# KiCad board homebrew_486.kicad_pcb (continued)
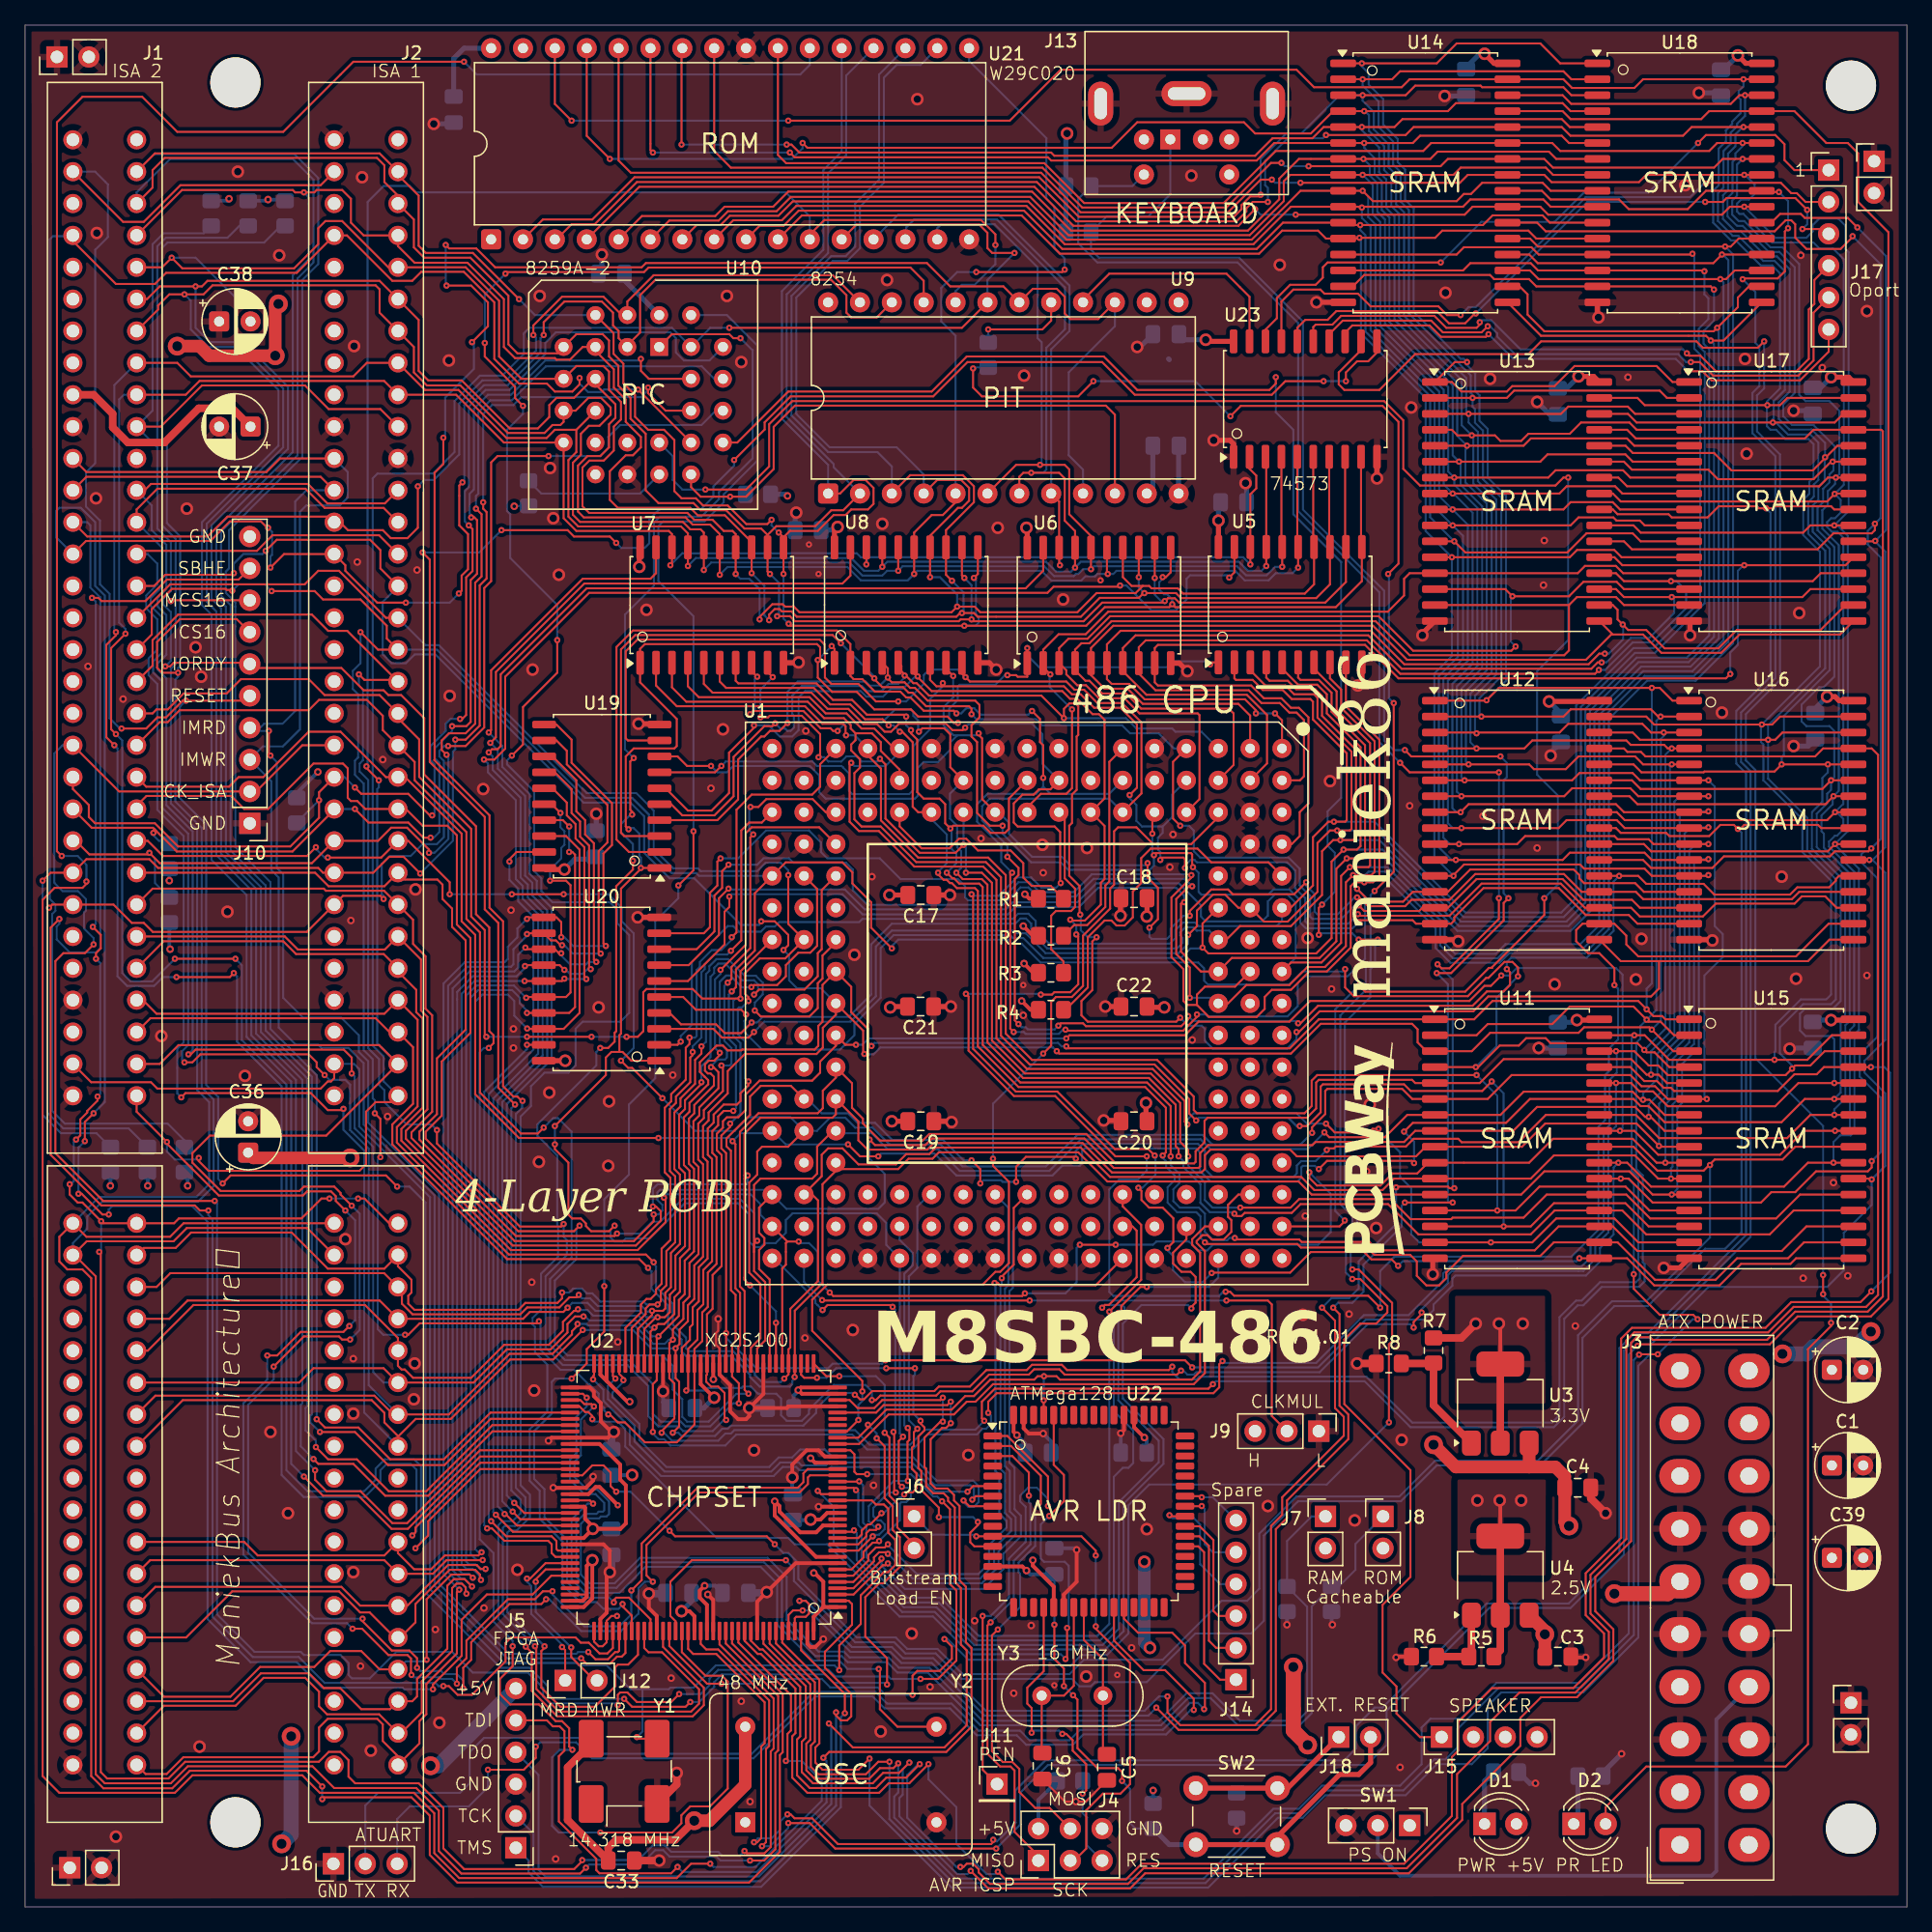
[diagram p0: board, top side]
## Routing (per net, layer and track width the routed paths; a pad name or vN(x,y) marks a point on that pad's centre or on a via; arc(x,y) is an arc through that point) (continued)
/D20: length 88.7
  Top w0.16: U13.18 126.56,103.77 126.94,103.39 126.94,102.63 v3(127.35,102.22) 127.78,101.78 129.22,101.78 130.68,100.32 134.98,100.32 136.44,101.78 143.11,101.78 145.1,103.77 U17.18 ; v3(99.63,95.14) 100.19,94.58 U1.A1 ; v3(98.11,95.14) 98.11,95.39 97.24,96.26 89.24,96.26 88.01,97.49 86.61,97.49 86.23,97.87 U6.6 86.23,100.64 87.31,101.72 107.27,101.72 109.94,99.05 124.63,99.05 125.48,99.9 v3(125.92,99.9)
  Bottom w0.16: v3(99.63,95.14) v3(98.11,95.14) ; v3(125.92,99.9) 126.23,99.9 127.38,101.05 127.38,102.18
/D21: length 90
  Top w0.16: U1.B2 99,91.15 99,95.01 97.39,96.62 89.39,96.62 87.5,98.5 U6.7 87.5,100.34 88.52,101.36 107.06,101.36 109.73,98.69 124.84,98.69 125.35,99.2 v3(125.67,99.2) ; U13.19 126.81,105.04 127.44,104.41 141.67,104.41 142.3,105.04 U17.19
  Bottom w0.16: v3(131.25,104.41) 131.44,104.22 131.44,103.14 129.46,101.15 127.99,101.15 126.04,99.2 v3(125.67,99.2)
/D22: length 94.1
  Top w0.16: v3(125.44,98.6) 125.14,98.29 109.62,98.29 106.96,100.96 89.32,100.96 88.77,100.41 U6.8 88.77,98.31 90.11,96.98 97.54,96.98 98.55,95.96 100.01,95.96 100.77,95.2 101.35,95.2 101.94,94.61 101.94,90.12 101.62,89.8 U1.A2 ; U13.20 126.81,106.31 127.44,105.68 142.49,105.68 143.13,106.31 U17.20
  Bottom w0.16: 131.13,105.68 v3(131.19,105.68) 131.64,105.68 132.4,104.92 132.4,103.52 129.67,100.79 128.14,100.79 125.95,98.6 v3(125.44,98.6)
/D23: length 104.7
  Top w0.16: U13.21 126.68,107.58 127.32,106.95 v3(137.03,106.95) 145.11,106.95 U17.21 ; U1.A4 100.97,84.72 101.6,85.36 101.6,87.26 102.3,87.96 102.3,94.82 101.54,95.58 100.9,95.58 100.14,96.34 98.74,96.34 97.73,97.36 90.3,97.36 90.04,97.61 90.04,100.34 90.3,100.6 106.81,100.6 109.47,97.93 135.57,97.93 v3(135.92,98.28)
  Bottom w0.16: 136.97,106.95 136.53,106.5 136.53,100.6 135.92,99.99 v3(135.92,98.28)
/D24: length 198.3
  Top w0.16: v3(52.26,68.97) 52.01,68.72 U20.2 ; U5.2 96.39,97.93 96.52,97.8 97.85,97.8 98.66,97 100.25,97 100.97,96.28 102.45,96.28 102.66,96.07 102.66,94.65 105.35,91.96 105.35,86.63 105.22,86.5 v3(104.33,86.5) 103.89,86.5 102.66,85.27 102.66,81.42 100.88,79.64 U1.A6 ; U14.13 114.11,131.71 114.69,132.29 120.07,132.29 120.65,131.71 U18.13 132.84,131.71 v3(132.91,131.78)
  Bottom w0.16: v3(132.91,131.78) 133.05,131.63 133.05,124.2 133.52,123.73 133.52,104.07 129.79,100.34 128.2,100.34 123.63,95.77 123.63,80.45 122.45,79.26 114.81,79.26 107.57,86.5 v3(104.33,86.5) ; v3(52.26,68.97) 52.26,69.42 53.15,70.31 53.15,75.32 56.01,78.18 56.45,78.18 56.9,77.74 58.65,77.74 59.05,78.14 59.75,78.14 60.11,78.5 66.48,78.5 66.74,78.75 78.74,78.75 79.15,79.17 79.98,79.17 80.56,78.58 80.56,77.86 81.64,76.78 91.25,76.78 91.69,77.23 91.69,77.86 92.3,78.47 93.25,78.47 93.54,78.18 99.76,78.18 100.19,78.61 U1.A6
/D25: length 197.7
  Top w0.16: U5.3 97.66,98.57 98.87,97.36 100.46,97.36 101.16,96.66 102.74,96.66 103.02,96.38 103.02,94.8 105.73,92.09 105.73,85.93 105.6,85.8 v3(104.58,85.8) 104.01,85.8 103.02,84.81 103.02,80.91 100.65,78.54 98.75,78.54 U1.B6 96.71,79.64 95.67,80.68 94.68,80.68 93.41,79.42 93.41,78.18 v3(92.71,77.48) ; v3(58.1,69.74) 57.66,69.29 55.56,69.29 54.86,69.99 U20.3 ; U14.14 114.62,130.44 115.2,131.02 120.01,131.02 120.59,130.44 U18.14 133.79,130.44 v3(133.86,130.38)
  Bottom w0.16: v3(133.86,130.38) 133.86,128.54 134.18,128.22 134.18,126.57 133.41,125.81 133.41,124.41 133.88,123.94 133.88,103.92 129.92,99.96 128.33,99.96 124.02,95.65 124.02,80.28 122.64,78.9 114.66,78.9 107.76,85.8 v3(104.58,85.8) ; v3(92.71,77.48) 92.71,76.78 91.95,76.02 81.34,76.02 79.75,77.61 78.93,77.61 78.72,77.82 69.09,77.82 67.82,76.55 67.82,72.59 65.79,70.56 58.93,70.56 v3(58.1,69.74)
/D26: length 198.7
  Top w0.16: U14.15 105.83,129.17 106.74,130.08 116.76,130.08 117.09,129.75 119.88,129.75 120.46,129.17 U18.15 134.37,129.17 v3(134.62,128.92) ; U5.4 98.93,97.99 99.19,97.74 100.65,97.74 101.32,97.06 102.84,97.06 103.38,96.53 103.38,94.95 106.09,92.24 106.09,85.27 105.85,85.04 v3(104.84,85.04) 104.27,85.04 103.38,84.15 103.38,80.66 100.9,78.18 96.84,78.18 95.76,77.1 U1.C7 ; v3(57.91,70.5) 57.07,69.65 55.77,69.65 55.08,70.35 52.28,70.35 51.37,71.26 U20.4
  Bottom w0.16: v3(104.84,85.04) 107.95,85.04 114.45,78.54 122.85,78.54 124.38,80.07 124.38,95.5 128.46,99.58 132.46,99.58 134.24,101.36 134.24,124.16 133.79,124.6 133.79,125.62 134.62,126.44 v3(134.62,128.92) ; U1.C7 94.39,77.82 93.39,77.82 93.12,78.09 92.49,78.09 92.08,77.67 92.08,77.42 92.27,77.23 92.27,76.85 91.82,76.4 81.47,76.4 80.2,77.67 80.2,78.37 79.79,78.78 79.34,78.78 78.93,78.37 69.09,78.37 67.44,76.72 67.44,72.72 65.66,70.94 58.8,70.94 58.36,70.5 v3(57.91,70.5)
/D27: length 192.6
  Top w0.16: v3(57.47,71.13) 57.09,71.51 53.47,71.51 52.45,72.53 U20.5 ; U18.17 135.38,124.85 v3(134.37,124.85) 133.98,125.24 120.83,125.24 U14.17 ; U1.C6 93.85,78.39 v3(93.85,76.47) 94.32,76 102.91,76 104.14,77.23 104.14,83.33 v3(105.09,84.28) 106.17,84.28 106.45,84.55 106.45,92.45 103.76,95.13 103.76,96.66 102.99,97.42 101.47,97.42 100.2,98.69 U5.5
  Bottom w0.16: v3(105.09,84.28) 108.2,84.28 114.3,78.18 123.02,78.18 124.73,79.9 124.73,95.35 128.61,99.22 132.61,99.22 134.62,101.24 134.62,124.6 v3(134.37,124.85) ; 93.85,76.4 92.9,76.4 92.14,75.64 81.15,75.64 79.57,77.23 78.74,77.23 78.51,77.46 69.24,77.46 68.2,76.42 68.2,72.47 66.1,70.37 66.1,69.48 64.96,68.34 58.74,68.34 57.34,69.74 57.34,70.63 57.47,70.75 v3(57.47,71.13)
/D28: length 194.5
  Top w0.16: U5.6 101.47,97.99 101.66,97.8 103.12,97.8 104.14,96.78 104.14,95.26 106.81,92.6 106.81,83.71 106.68,83.58 v3(105.35,83.58) 104.52,82.75 104.52,76.98 103.19,75.64 96.19,75.64 U1.C8 93.73,74.56 92.14,76.15 92.14,79.96 92.27,80.09 v3(92.39,80.09) 92.52,80.09 ; U20.6 52.83,73.8 55.75,76.72 55.75,79.32 56.13,79.71 v3(56.13,80.53) ; U14.18 119.13,129.17 119.76,128.54 119.76,126.93 121.09,125.6 134.6,125.6 v3(134.87,125.87) 136.53,127.52 136.53,128.28 137.41,129.17 U18.18
  Bottom w0.16: v3(105.35,83.58) 108.39,83.58 114.17,77.8 123.19,77.8 125.09,79.71 125.09,95.14 128.82,98.86 132.75,98.86 135,101.11 135,125.74 v3(134.87,125.87) ; v3(56.13,80.53) 56.32,80.72 65.15,80.72 66.76,79.11 78.34,79.11 78.93,79.71 84.01,79.71 85.53,81.23 91.76,81.23 92.39,80.59 v3(92.39,80.09)
/D29: length 201.2
  Top w0.16: U5.7 102.74,98.69 104.54,96.89 104.54,95.43 107.21,92.76 107.21,83.01 107.08,82.88 v3(105.6,82.88) 104.9,82.18 104.9,76.85 103.34,75.28 100.91,75.28 U1.A8 ; U18.19 136.27,130.44 135.58,129.75 v3(135.13,129.75) 120.66,129.75 120.65,129.74 119.95,130.44 U14.19 ; U20.7 52.9,75.07 55.31,77.48 55.31,80.4 v3(56.07,81.17)
  Bottom w0.16: v3(56.07,81.17) 56.13,81.1 65.34,81.1 66.93,79.52 78.17,79.52 78.74,80.09 83.88,80.09 85.39,81.59 91.97,81.59 93.73,79.83 93.73,78.94 94.11,78.56 98.62,78.56 99.06,79.01 99.06,80.15 99.63,80.72 100.58,80.72 101.28,80.02 101.28,75.66 U1.A8 ; 135.13,129.74 135.38,129.49 135.38,100.98 132.9,98.5 128.97,98.5 125.48,95.01 125.48,78.25 123.97,76.74 118,76.74 117.24,75.98 113.98,75.98 113.16,76.81 113.16,78.31 108.58,82.88 v3(105.6,82.88)
/D30: length 208.5
  Top w0.16: v3(93.03,81.36) 92.77,81.36 91.76,80.34 91.76,75.96 92.84,74.88 v3(92.84,72.47) ; U18.20 v3(135.25,131.71) 134.56,131.02 120.58,131.02 119.89,131.71 U14.20 ; v3(56.07,83.07) 55.56,82.56 55.56,81.23 54.95,80.62 54.95,77.76 53.53,76.34 U20.8 ; U5.8 104.01,97.93 104.9,97.04 104.9,95.58 107.57,92.91 107.57,82.5 107.31,82.25 v3(105.85,82.25) 105.28,81.67 105.28,76.59 103.61,74.92 102.21,74.92 100.77,73.48 97.35,73.48 95.88,72.02 U1.C9
  Bottom w0.16: U1.C9 94.66,72.47 v3(92.84,72.47) ; v3(105.85,82.25) 106.81,82.25 107.08,82.52 108.43,82.52 112.8,78.16 112.8,76.64 113.81,75.62 117.39,75.62 118.15,76.38 124.18,76.38 125.86,78.06 125.86,94.88 129.1,98.12 133.03,98.12 135.76,100.85 135.76,131.27 135.32,131.71 ; v3(56.07,83.07) 58.36,83.07 58.87,83.59 60.89,83.59 61.25,83.22 65.44,83.22 65.98,82.69 65.98,81.04 67.14,79.88 77.96,79.88 79.34,81.26 79.98,81.26 80.71,80.53 83.76,80.53 85.17,81.95 92.43,81.95 v3(93.03,81.36)
/D31: length 219
  Top w0.16: U1.B8 96.44,73.36 94.04,73.36 93.41,72.72 93.41,71.9 ; U14.21 119.95,132.98 120.59,132.35 135.95,132.35 136.59,132.98 U18.21 ; U5.9 105.28,95.71 107.95,93.04 107.95,82.18 107.44,81.67 v3(106.74,81.67) 105.98,81.67 105.66,81.36 105.66,76.47 103.76,74.56 102.36,74.56 100.9,73.1 99.38,73.1 98.81,72.53 98.81,71.58 98.17,70.94 94.36,70.94 93.41,71.9 ; v3(55.44,83.58) 55.18,83.33 55.18,81.42 54.59,80.83 54.59,78.1 54.1,77.61 U20.9 ; 93.41,71.9 92.65,71.9 92.33,72.21 92.33,74.75 91.38,75.71 91.38,80.47 92.96,82.06 v3(92.96,82.25)
  Bottom w0.16: v3(92.96,82.25) 92.9,82.31 85.03,82.31 83.61,80.89 80.86,80.89 80.07,81.67 79.18,81.67 77.75,80.24 75.16,80.24 74.93,80.47 74.93,81.36 74.36,81.93 69.79,81.93 68.13,83.58 63.94,83.58 63.44,84.09 63.44,84.85 62.48,85.8 59.05,85.8 56.83,83.58 v3(55.44,83.58) ; v3(135.51,132.35) 136.14,131.71 136.14,100.72 133.16,97.74 129.29,97.74 126.24,94.69 126.24,77.93 124.33,76.02 118.3,76.02 117.54,75.26 113.6,75.26 112.44,76.43 112.44,78.01 108.28,82.16 107.36,82.16 106.87,81.67 v3(106.74,81.67)
/DT0: length 291.1
  Top w0.16: v3(82.49,106.95) 82.42,107.01 U6.18 82.42,112.03 U9.8 ; v3(16.76,75.58) v3(11.94,75.58) ; J1.40 12.81,120.54 13.91,121.64 28.62,121.64 J2.40 34.35,120.54 38.16,116.73 U10.11 42.93,110.69 43.94,109.68 51.31,109.68 51.56,109.42 U7.18 51.56,107.07 v3(51.44,106.95) ; 97.66,106.95 v3(97.66,107.01) U5.18 97.66,112.6 98.14,113.07 98.14,114.09 97.6,114.63 U23.2 ; v3(7.24,93.49) 6.86,93.87 6.86,100.34 v3(8,101.49) ; U2.86 36.29,34.9 32.13,30.74 32.13,29.6 v3(31.11,28.59) ; U8.18 v3(67.06,107.01)
  Bottom w0.16: v3(16.76,75.58) 17.27,75.07 17.27,69.1 20.83,65.55 20.83,34.81 22.5,33.13 27.02,33.13 27.94,34.05 27.94,34.94 28.68,35.67 31.01,35.67 31.56,35.13 31.56,29.03 v3(31.11,28.59) ; v3(8,101.49) 8,101.87 7.49,102.38 7.49,120.16 7.87,120.54 J1.40 ; U21.13 69.6,134.89 77.6,134.89 83.25,129.24 83.25,125.62 81.79,124.16 U9.8 ; 82.49,107.58 67.12,107.58 ; 82.49,107.58 97.09,107.58 v3(97.66,107.01) ; 82.49,107.58 v3(82.49,106.95) ; 67.12,107.58 66.61,107.58 66.29,107.9 52.39,107.9 v3(51.44,106.95) ; 67.12,107.58 67.12,107.07 ; v3(11.94,75.58) 10.13,73.77 8.41,73.77 7.75,74.44 7.75,92.98 v3(7.24,93.49)
/DT1: length 300.3
  Top w0.16: U9.7 79.25,114 79.57,114.31 v3(80.2,114.31) 82.42,114.31 82.87,113.87 82.87,110.5 83.69,109.68 U6.17 v3(83.69,106.76) ; v3(7.11,92.6) 6.48,93.23 6.48,100.6 7.24,101.36 v3(7.24,101.61) ; 43.94,117.74 43.94,115.96 43.31,115.33 43.31,110.82 44.09,110.04 52.28,110.04 52.83,109.49 U7.17 v3(52.83,106.88) ; 43.94,117.74 42.23,117.74 41.57,117.09 38.38,117.09 34.54,120.92 31.88,120.92 J2.39 27.24,123.08 26.16,122 13.21,122 12.13,123.08 J1.39 ; 43.94,117.74 U10.10 ; v3(30.86,29.6) 31.11,29.86 31.11,30.23 36.28,35.4 U2.85 ; U23.3 98.93,115.53 U5.17 v3(98.93,106.88) ; U8.17 v3(68.33,106.82) ; v3(12.07,74.12) 16.32,74.12 v3(16.64,74.44)
  Bottom w0.16: v3(7.11,92.6) 7.37,92.34 7.37,74.18 8.13,73.41 10.28,73.41 10.99,74.12 v3(12.07,74.12) ; v3(30.86,29.6) 31.2,29.94 31.2,34.85 30.74,35.31 28.83,35.31 28.32,34.81 28.32,33.92 27.08,32.68 22.2,32.68 20.45,34.43 20.45,65.42 16.89,68.97 16.89,74.18 v3(16.64,74.44) ; v3(7.24,101.61) 7.11,101.74 7.11,121.3 J1.39 ; v3(98.93,106.88) 98.55,106.5 97.47,106.5 96.75,107.22 84.16,107.22 v3(83.69,106.76) 83.38,106.44 82.17,106.44 81.39,107.22 68.73,107.22 v3(68.33,106.82) 68.01,106.5 66.87,106.5 65.85,107.52 53.47,107.52 v3(52.83,106.88) ; v3(80.2,114.31) 81.15,114.31 81.41,114.57 81.41,124.28 82.89,125.77 82.89,129.09 77.47,134.51 70.87,134.51 70.23,133.87 70.23,132.98 U21.14
/DT2: length 304.4
  Top w0.16: v3(84.96,106.63) U6.16 84.96,109.28 83.23,111.01 83.23,114.59 82.87,114.95 v3(80.9,114.95) 78.99,114.95 U9.6 ; J1.38 10.6,127.33 10.6,127.65 11.49,128.54 14.22,128.54 14.94,129.26 27.94,129.26 28.26,128.94 28.26,127.08 J2.38 30.99,124.35 30.99,122.32 32.03,121.28 34.69,121.28 38.48,117.49 41.4,117.49 42.04,118.12 42.67,118.12 42.93,118.38 U10.9 43.88,119.27 44.89,120.28 45.91,120.28 46.67,119.52 46.67,118.95 45.78,118.06 44.94,118.06 44.3,117.42 44.3,115.75 43.67,115.12 43.67,110.97 44.24,110.4 52.43,110.4 53.02,109.8 53.85,109.8 54.1,109.55 U7.16 v3(54.1,106.57) ; 100.2,106.76 v3(100.2,106.82) U5.16 100.14,108.46 U23.4 ; U8.16 v3(69.6,106.5) ; v3(22.22,34.3) 23.75,32.77 26.57,32.77 29.21,30.14 30.51,30.14 36.27,35.9 U2.84
  Bottom w0.16: v3(12.7,128.54) 13.21,128.03 13.21,125.74 14.6,124.35 16.76,124.35 20.19,120.91 20.19,116.47 14.1,110.38 14.1,103.77 14.86,103.01 14.86,83.45 17.65,80.66 17.65,69.35 21.21,65.79 21.21,35.32 v3(22.22,34.3) ; v3(54.1,106.57) 54.69,107.16 65.7,107.16 66.74,106.12 68.33,106.12 68.71,106.5 v3(69.6,106.5) 69.96,106.86 81.24,106.86 82.02,106.08 83.59,106.08 83.76,106.25 83.95,106.25 84.33,106.63 v3(84.96,106.63) 85.2,106.86 96.6,106.86 97.32,106.14 98.95,106.14 99.63,106.82 v3(100.2,106.82) ; v3(80.9,114.95) 81.03,115.08 81.03,124.73 80.71,125.05 80.71,130.7 77.28,134.12 73.02,134.12 72.71,133.81 U21.15
/DT3: length 320.4
  Top w0.16: v3(101.47,106.76) U5.15 101.41,108.46 U23.5 ; U2.83 36.26,36.4 30.46,30.59 29.27,30.59 26.73,33.13 24.03,33.13 23.11,34.05 v3(23.11,34.81) ; v3(86.3,106.25) 86.23,106.31 U6.15 ; v3(75.82,130.31) 82.68,130.31 v3(82.87,130.51) ; U9.5 74.17,111.96 73.15,110.95 72.26,110.95 70.87,109.55 U8.15 v3(70.87,106.25) ; v3(55.37,106.19) U7.15 55.37,109.42 54.61,110.19 53.21,110.19 52.64,110.76 44.53,110.76 44.07,111.22 44.07,114.88 44.83,115.65 45.85,115.65 46.55,116.35 46.55,118.19 47.05,118.69 47.05,119.77 45.47,121.36 U10.8 45.28,121.81 43.75,120.28 42.35,120.28 41.78,119.71 41.78,118.76 40.87,117.85 38.63,117.85 34.8,121.68 32.13,121.68 31.37,122.44 31.37,126.51 J2.37 28.26,129.62 14.54,129.62 14.1,129.17 v3(13.59,129.17) 10.73,129.17 9.72,128.16 J1.37
  Bottom w0.16: U9.5 74.17,125.24 73.02,126.38 73.02,129.05 74.3,130.31 v3(75.82,130.31) ; v3(23.11,34.81) 21.59,36.34 21.59,65.92 18.03,69.48 18.03,81.04 15.24,83.83 15.24,103.26 14.48,104.03 14.48,110.25 20.57,116.35 20.57,121.04 16.89,124.73 14.73,124.73 13.59,125.87 v3(13.59,129.17) ; v3(101.47,106.76) 101.03,106.31 99.69,106.31 99.12,105.74 97.22,105.74 96.45,106.5 86.99,106.5 86.74,106.25 v3(86.3,106.25) 85.47,106.25 85.28,106.06 84.52,106.06 84.18,105.72 81.81,105.72 81.03,106.5 71.12,106.5 v3(70.87,106.25) 70.36,105.74 66.61,105.74 65.55,106.8 55.99,106.8 v3(55.37,106.19) ; U21.17 75.25,147.14 81.41,140.98 81.41,136.16 82.04,135.52 82.04,132.22 82.87,131.39 v3(82.87,130.51)
/DT4: length 341.2
  Top w0.16: 72.14,105.87 v3(72.14,105.99) U8.14 72.14,109.3 74.36,111.52 74.68,111.52 75.25,112.09 75.25,113.11 74.62,113.74 72.71,113.74 U9.4 ; 89.09,105.3 89.6,105.3 89.79,105.11 91.88,105.11 92.31,104.68 102,104.68 102.74,105.42 U5.14 102.68,108.46 U23.6 ; 89.09,105.3 88.52,104.72 85.41,104.72 83.88,103.2 76.14,103.2 75.69,103.65 v3(74.29,103.65) 73.85,103.2 61.72,103.2 61.28,103.65 60.58,103.65 60.39,103.84 59.56,103.84 58.55,102.82 v3(58.55,102.63) ; 89.09,105.3 88.2,105.3 87.5,105.99 U6.14 ; U7.14 56.64,109.42 56.39,109.68 55.69,109.68 54.8,110.57 53.34,110.57 52.79,111.12 44.96,111.12 44.43,111.65 44.43,114.74 44.98,115.29 46.12,115.29 46.93,116.09 46.93,118 47.5,118.57 47.5,119.96 46.55,120.92 46.55,122.38 46.1,122.82 43.94,122.82 U10.7 39.56,121.81 37.78,123.58 37.78,128.03 35.12,130.7 J2.36 28.96,130.7 25.27,134.38 23.94,134.38 23.37,133.81 23.37,132.54 21.44,130.61 12.53,130.61 v3(11.68,131.46) 10.92,130.7 J1.36 ; U7.14 v3(56.64,106.25) ; U7.14 56.52,108.5 ; U2.80 37.26,37.9 32.13,32.77 28.71,32.77 26.17,35.31 23.37,35.31 v3(22.99,35.7)
  Bottom w0.16: v3(74.29,103.65) 74.29,104.62 72.92,105.99 v3(72.14,105.99) ; v3(58.55,102.63) 58.55,105.04 57.72,105.87 57.02,105.87 v3(56.64,106.25) ; U21.18 71.37,146.83 69.47,146.83 68.45,145.81 68.45,137.43 66.55,135.52 66.55,132.22 65.53,131.2 64.39,131.2 61.47,128.28 61.47,119.02 64.14,116.35 69.47,116.35 71.63,114.19 U9.4 ; v3(11.68,131.46) 13.59,131.46 16.76,128.28 16.76,125.36 20.96,121.17 20.96,116.22 14.86,110.12 14.86,104.28 15.62,103.52 15.62,83.96 18.42,81.16 18.42,69.61 22.1,65.92 22.1,40.15 21.97,40.02 21.97,36.72 v3(22.99,35.7)
/DT5: length 339.6
  Top w0.16: U23.7 103.95,108.46 U5.13 104.01,105.42 102.91,104.32 92.14,104.32 91.74,104.72 v3(89.22,104.72) 89.15,104.72 88.77,104.34 85.66,104.34 84.16,102.84 75.92,102.84 75.63,103.14 v3(74.68,103.14) 74.53,103.14 74.23,102.84 61.51,102.84 61.09,103.26 60.33,103.26 60.13,103.45 59.75,103.45 59.31,103.01 v3(59.31,102.57) ; J2.35 29.72,132.39 31.05,131.06 35.26,131.06 38.16,128.16 38.16,124.35 39.05,123.46 42.23,123.46 42.35,123.33 43.43,123.33 44.45,124.35 U10.6 45.47,124.03 46.93,122.57 46.93,121.11 47.88,120.16 47.88,118.38 49.09,117.17 49.09,116.35 48.45,115.71 47.88,115.71 46.61,114.44 46.61,112.15 47.24,111.52 53.02,111.52 53.61,110.93 55.77,110.93 57.91,108.79 U7.13 v3(57.91,106.31) ; J2.35 29.72,133.68 ; J2.35 26.99,133.24 25.97,134.25 25.97,136.16 25.27,136.86 23.24,136.86 23.05,136.67 v3(22.22,136.67) 21.53,136.67 21.34,136.86 12.51,136.86 J1.35 ; U9.3 70.55,114.12 74.74,114.12 75.63,113.24 75.63,111.96 73.41,109.74 U8.13 73.41,106.19 v3(73.88,105.71) ; 23.11,36.72 v3(23.18,36.65) 24.16,35.67 26.44,35.67 28.98,33.13 31.98,33.13 37.25,38.4 U2.79 ; U6.13 v3(88.77,105.99)
  Bottom w0.16: v3(23.18,36.65) 23.18,37.16 22.35,37.99 22.35,39.76 22.48,39.89 22.48,66.05 18.8,69.73 18.8,81.29 16,84.09 16,103.64 15.24,104.41 15.24,109.87 21.34,115.96 21.34,130.06 22.61,131.33 22.61,136.28 v3(22.22,136.67) ; v3(57.91,106.31) 58.93,105.3 58.93,102.95 v3(59.31,102.57) ; v3(88.77,105.99) 88.77,105.17 v3(89.22,104.72) ; v3(73.88,105.71) 74.8,104.79 74.8,103.26 v3(74.68,103.14) ; U9.3 69.09,114.82 67.94,115.96 64.01,115.96 61.09,118.89 61.09,128.41 64.26,131.59 65.41,131.59 66.17,132.35 66.17,135.78 68.07,137.68 68.07,146.06 U21.19
/DT6: length 346.3
  Top w0.16: 59.18,109.36 58.67,109.87 57.34,109.87 55.88,111.33 53.85,111.33 53.28,111.9 50.48,111.9 49.47,112.92 49.47,117.42 48.26,118.63 48.26,120.28 47.29,121.26 47.29,122.84 46.55,123.58 46.55,124.85 46.04,125.36 43.94,125.36 U10.5 42.42,123.84 39.24,123.84 38.52,124.56 38.52,128.43 35.5,131.46 31.81,131.46 30.99,132.28 30.99,134.51 J2.34 29.72,136.41 28.64,137.49 28.64,138.82 28.05,139.42 11.13,139.42 10.16,138.44 10.16,137.05 J1.34 ; 59.18,109.36 59.88,110.06 62.99,110.06 64.26,111.33 65.21,111.33 U9.2 ; 59.18,109.36 U7.12 59.18,106.44 v3(59.37,106.25) ; v3(59.94,102.88) 60.96,102.88 61.36,102.48 74.42,102.48 74.57,102.63 v3(75.44,102.63) 75.59,102.48 84.37,102.48 85.85,103.96 90.74,103.96 91.09,104.32 91.64,104.32 91.99,103.96 103.63,103.96 105.28,105.61 U5.12 105.22,108.46 U23.8 ; U2.78 37.11,38.9 33.43,35.22 28.93,35.22 26.29,37.85 v3(23.5,37.85) ; v3(74.87,105.93) 74.68,106.12 U8.12 ; 90.04,108.34 v3(90.04,105.93)
  Bottom w0.16: U9.2 64.45,114.76 64.45,115.01 60.71,118.76 60.71,128.54 64.01,131.84 64.01,138.19 65.45,139.63 65.45,145.98 U21.20 ; v3(59.37,106.25) 60.09,105.53 60.09,103.03 v3(59.94,102.88) ; 90.87,104.09 90.55,104.09 90.04,104.6 90.04,105.87 ; J1.34 8.89,136.67 11.56,139.33 21.33,139.33 22.99,137.68 22.99,131.08 21.72,129.81 21.72,115.71 15.62,109.62 15.62,104.53 16.38,103.77 16.38,84.21 19.18,81.42 19.18,69.86 22.86,66.18 22.86,39.26 22.73,39.13 22.73,38.62 v3(23.5,37.85) ; v3(74.87,105.93) 75.44,105.36 v3(75.44,102.63)
  vias: v3(90.84,104.09)
/DT7: length 347.9
  Top w0.16: v3(90.68,105.99) 90.93,105.99 91.31,106.38 U6.11 ; J1.33 10.35,139.78 28.26,139.78 J2.33 29.72,138.06 31.37,136.41 31.37,132.41 31.94,131.84 35.69,131.84 v3(39.37,128.16) ; 60.45,109.17 U7.11 v3(60.45,106.25) ; 60.45,109.17 v3(60.07,109.55) ; 60.45,109.17 60.96,109.68 63.18,109.68 64.45,110.95 65.41,110.95 65.85,111.39 67.18,111.39 67.63,111.84 67.63,113.11 67,113.74 66.04,113.74 64.96,112.66 U9.1 ; v3(23.24,38.88) 23.9,38.21 26.57,38.21 29.11,35.67 33.37,35.67 37.1,39.4 U2.77 ; v3(60.86,102.28) 61.02,102.12 v3(74.87,102.12) 84.58,102.12 86.06,103.6 91.21,103.6 v3(91.44,103.84) 91.67,103.6 104.48,103.6 106.55,105.68 U5.11 106.49,108.46 U23.9 ; v3(75.63,105.93) 75.95,106.25 U8.11 ; 45.47,126.51 U10.4 46.91,125.45 46.91,123.8 47.69,123.01 47.69,121.44 48.62,120.51 48.62,118.78 49.66,117.74 50.93,117.74 51.75,116.92 51.75,112.85 52.32,112.28 53.47,112.28 54.04,111.71 56.01,111.71 57.49,110.23 59.16,110.23 v3(59.5,110.57)
  Bottom w0.16: J1.33 10.29,139.71 21.46,139.71 23.37,137.81 23.37,130.95 22.1,129.68 22.1,115.58 16.26,109.74 16.26,106.69 16,106.44 16,104.74 16.76,103.98 16.76,84.47 19.56,81.67 19.56,69.99 23.24,66.31 v3(23.24,38.88) ; v3(60.45,106.25) 60.45,102.69 v3(60.86,102.28) ; v3(75.63,105.93) 75.8,105.76 75.8,103.03 76.01,102.82 76.01,102.38 75.76,102.12 v3(74.87,102.12) ; v3(91.44,103.84) 91.44,104.22 91.03,104.63 90.77,104.63 90.4,105 90.4,105.59 90.68,105.87 v3(90.68,105.99) 90.68,106.06 ; v3(60.07,109.55) 59.5,110.12 v3(59.5,110.57) ; v3(39.37,128.16) 40.64,126.89 U10.4 ; U9.1 64.01,114.95 60.33,118.63 60.33,128.79 63.63,132.09 63.63,138.44 65.09,139.9 U21.21
/DT8: length 101.8
  Top w0.16: v3(40.02,70.02) 40.05,69.99 U20.18 42.93,69.99 44.2,71.26 44.2,84.28 43.12,85.36 U19.18 ; J1.91 17.46,29.1 18.54,28.02 28.64,28.02 J2.91 29.72,28.21 31.01,26.92 32.36,26.92 33.46,28.02 36.13,28.02 v3(36.39,28.27)
  Bottom w0.16: v3(40.02,70.02) 38.99,71.05 38.99,72.21 38.48,72.72 36.45,72.72 35.88,72.15 35.88,28.52 36.13,28.27 v3(36.39,28.27)
/DT9: length 101.2
  Top w0.16: U19.17 42.86,86.63 v3(43.37,86.12) ; J1.92 9.97,27.64 28.64,27.64 J2.92 32.51,26.56 33.59,27.64 36.45,27.64 ; v3(40,71.26) U20.17 43.37,71.26 43.84,71.73 43.84,83.88 43.62,84.09 v3(43.37,84.09)
  Bottom w0.16: v3(36.47,27.65) 35.99,27.65 35.52,28.12 35.52,72.49 36.11,73.08 38.82,73.08 39.43,72.47 39.43,72.02 40,71.45 v3(40,71.26) ; v3(43.37,84.09) v3(43.37,86.12)
/DT10: length 104.6
  Top w0.16: U19.16 41.97,87.9 v3(42.67,87.2) ; v3(39.94,72.47) 40,72.53 U20.16 43.12,72.53 43.48,72.89 43.48,81.44 43.12,81.8 v3(41.85,81.8) ; v3(36.7,26.94) 36.32,26.94 36.01,27.25 33.72,27.25 30.48,24.02 J2.93 26.71,24.02 25.21,25.51 10.39,25.51 J1.93
  Bottom w0.16: v3(41.85,81.8) 41.85,82.69 42.74,83.58 42.74,84.4 42.99,84.66 42.99,85.74 42.67,86.06 v3(42.67,87.2) ; v3(36.7,26.94) 36.26,26.94 35.9,27.3 35.39,27.3 35.16,27.53 35.16,72.64 35.96,73.44 38.97,73.44 v3(39.94,72.47)
/DT11: length 109.2
  Top w0.16: v3(44.74,73.96) 44.58,74.12 44.58,84.47 43.88,85.17 43.88,86.31 43.18,87.01 43.18,88.02 42.04,89.17 U19.15 ; J1.94 12.83,21.48 16.51,25.15 25.02,25.15 26.7,23.48 27.46,23.48 29.46,21.48 J2.94 29.91,21.48 31.11,22.68 31.11,24.14 33.84,26.87 35.88,26.87 36.26,26.49 36.26,26.05 ; v3(42.99,73.99) 42.8,73.8 U20.15 v3(39.81,73.8)
  Bottom w0.16: 36.26,26.05 36.26,26.37 35.69,26.94 35.18,26.94 34.8,27.32 34.8,72.79 35.81,73.8 v3(39.81,73.8) ; v3(44.74,73.96) 43.02,73.96 v3(42.99,73.99)
  vias: v3(36.34,26.06)
/DT12: length 113.2
  Top w0.16: J2.95 28.26,18.94 26.8,20.4 24.32,20.4 23.05,19.13 18.73,19.13 16.36,16.76 11.07,16.76 J1.95 ; v3(32,19.7) 32,24.52 33.97,26.49 35.43,26.49 v3(35.69,26.24) ; v3(42.99,74.69) 42.61,75.07 U20.14 39.92,75.07 v3(39.85,75) ; U19.14 42.23,90.44 43.56,89.1 43.56,87.2 44.24,86.52 44.24,85.32 44.96,84.6 44.96,74.88 v3(45.08,74.75)
  Bottom w0.16: v3(32,19.7) 31.88,19.57 30.35,19.57 J2.95 ; v3(45.08,74.75) 44.83,74.75 44.45,74.37 43.43,74.37 43.12,74.69 v3(42.99,74.69) ; v3(35.69,26.24) 35.38,26.55 34.87,26.55 34.44,26.98 34.44,72.93 35.69,74.18 39.18,74.18 39.85,74.85 v3(39.85,75)
/DT13: length 118.2
  Top w0.16: v3(35.62,25.54) 35.04,26.13 34.18,26.13 33.66,25.6 33.66,20.59 31.24,18.17 31.24,16.78 30.86,16.4 J2.96 29.08,15.76 26.8,15.76 25.12,17.44 23.81,17.44 22.63,18.62 18.8,18.62 16.57,16.4 J1.96 ; v3(42.74,76.02) 42.55,76.02 42.23,76.34 U20.13 40,76.34 v3(39.88,76.47) ; v3(45.53,75.32) 45.34,75.51 45.34,84.79 44.64,85.48 44.64,86.63 43.94,87.33 43.94,89.8 42.04,91.71 U19.13
  Bottom w0.16: v3(45.53,75.32) 44.89,75.32 44.7,75.13 43.43,75.13 42.74,75.83 v3(42.74,76.02) ; v3(35.62,25.54) 34.98,26.19 34.73,26.19 34.08,26.83 34.08,73.21 35.43,74.56 38.99,74.56 39.31,74.88 39.31,75.9 v3(39.88,76.47)
/DT14: length 125
  Top w0.16: 35.12,25.03 35.12,25.48 34.83,25.77 34.39,25.77 34.04,25.41 34.04,20.4 31.62,17.98 31.62,15.51 29.97,13.86 J2.97 28.22,15.35 24.07,15.35 23.43,15.99 23.43,17.16 22.33,18.26 19.01,18.26 16.79,16.04 11.07,16.04 J1.97 ; v3(40,77.55) 40.07,77.61 U20.12 41.92,77.04 42.31,77.04 42.69,76.66 v3(42.8,76.66) ; U19.12 42.35,92.98 43.18,92.15 43.18,91.07 46.42,87.83 46.42,84.85 45.72,84.15 45.72,76.15 v3(45.88,75.99) 45.91,75.96
  Bottom w0.16: v3(40,77.55) 40,77.42 38.93,76.34 38.93,75.13 38.73,74.94 35.24,74.94 33.72,73.42 33.72,26.68 34.58,25.83 34.75,25.83 35.14,25.44 35.14,24.98 ; v3(45.88,75.99) 43.66,75.99 42.99,76.66 v3(42.8,76.66)
  vias: v3(35.18,24.97)
/DT15: length 130.2
  Top w0.16: v3(34.61,25.29) 34.42,25.1 34.42,20.21 31.98,17.77 31.98,15.36 31.43,14.81 31.43,13.03 J2.98 29.72,12.01 28.51,13.22 28.51,14.55 28.07,14.99 24.13,14.99 23.43,14.3 23.43,12.4 22.97,11.93 12.61,11.93 11.28,10.6 9.61,10.6 J1.98 ; v3(42.74,77.29) 42.74,78.5 42.35,78.88 U20.11 40.13,78.88 v3(40,78.75) ; U19.11 42.35,94.25 43.56,93.04 43.56,91.2 46.78,87.98 46.78,84.64 46.1,83.96 46.1,76.78 v3(46.29,76.59)
  Bottom w0.16: v3(46.29,76.59) 43.69,76.59 42.99,77.29 v3(42.74,77.29) ; v3(34.61,25.29) 33.36,26.53 33.36,73.61 35.05,75.3 38.23,75.3 38.48,75.56 38.48,76.53 39.24,77.29 39.24,77.99 v3(40,78.75)
